# Altium PCB QCPower Rev A.PcbDoc (part 1 of 5) (continued)
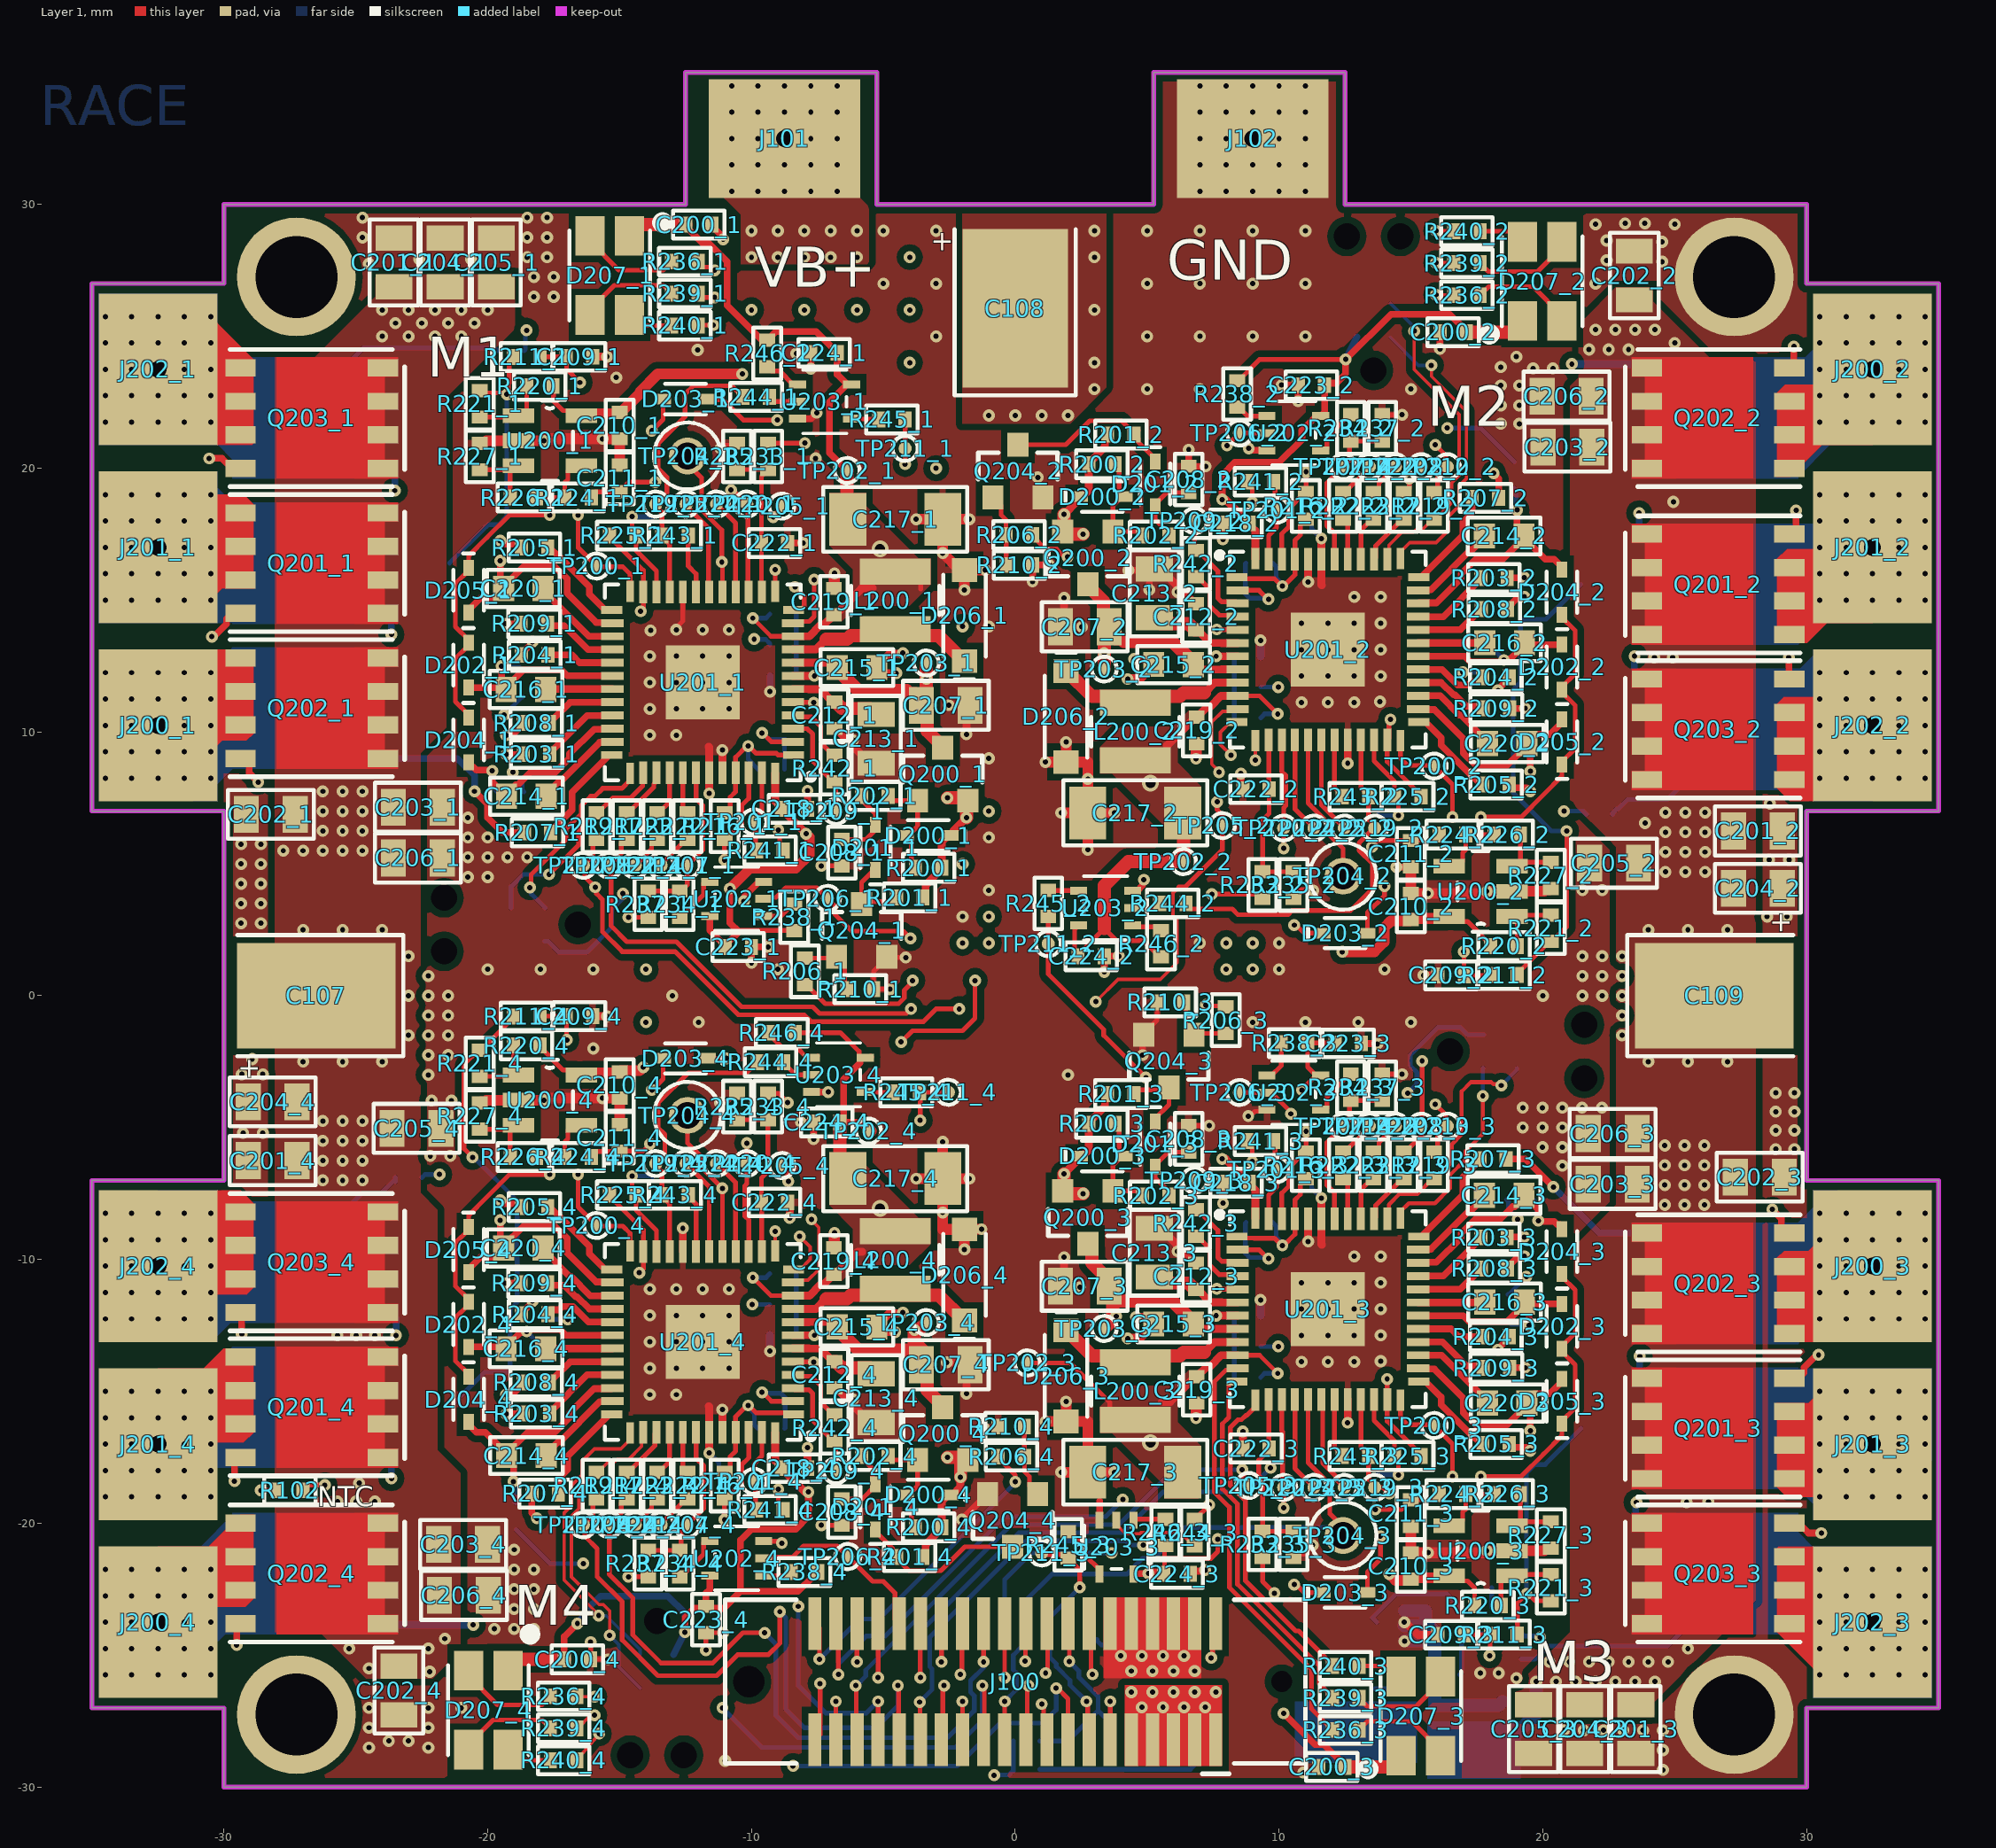
[diagram p0: Layer 1 view]
## Components (designator, comment, footprint, x,y, rotation, side; value= is the part's Value field where it differs from the comment) (continued)
C211_4 "0.01uF" "SMD CAP 0402" -15,-5.385 r90 top (schematic designator C211)
C212_1 "0.1uF" "SMD CAP 0402" -6.857,10.633 r90 top (schematic designator C212)
C212_2 "0.1uF" "SMD CAP 0402" 6.857,14.367 r270 top (schematic designator C212)
C212_3 "0.1uF" "SMD CAP 0402" 6.857,-10.633 r270 top (schematic designator C212)
C212_4 "0.1uF" "SMD CAP 0402" -6.857,-14.367 r90 top (schematic designator C212)
C213_1 "10uF" "SMD CAP 0805" -5.275,9.74 r270 top (schematic designator C213)
C213_2 "10uF" "SMD CAP 0805" 5.275,15.26 r90 top (schematic designator C213)
C213_3 "10uF" "SMD CAP 0805" 5.275,-9.74 r90 top (schematic designator C213)
C213_4 "10uF" "SMD CAP 0805" -5.275,-15.26 r270 top (schematic designator C213)
C214_1 "680nF" "SMD CAP 0603" -18.536,7.568 r180 top (schematic designator C214)
C214_2 "680nF" "SMD CAP 0603" 18.536,17.432 r0 top (schematic designator C214)
C214_3 "680nF" "SMD CAP 0603" 18.536,-7.568 r0 top (schematic designator C214)
C214_4 "680nF" "SMD CAP 0603" -18.536,-17.432 r180 top (schematic designator C214)
C215_1 "330nF" "SMD CAP 0603" -6,12.443 r0 top (schematic designator C215)
C215_2 "330nF" "SMD CAP 0603" 6,12.557 r180 top (schematic designator C215)
C215_3 "330nF" "SMD CAP 0603" 6,-12.442 r180 top (schematic designator C215)
C215_4 "330nF" "SMD CAP 0603" -6,-12.557 r0 top (schematic designator C215)
C216_1 "680nF" "SMD CAP 0603" -18.554,11.617 r180 top (schematic designator C216)
C216_2 "680nF" "SMD CAP 0603" 18.554,13.383 r0 top (schematic designator C216)
C216_3 "680nF" "SMD CAP 0603" 18.554,-11.617 r0 top (schematic designator C216)
C216_4 "680nF" "SMD CAP 0603" -18.554,-13.383 r180 top (schematic designator C216)
C217_1 "47uF" "SMD CAP 1206" -4.55,18.065 r0 top (schematic designator C217)
C217_2 "47uF" "SMD CAP 1206" 4.55,6.935 r180 top (schematic designator C217)
C217_3 "47uF" "SMD CAP 1206" 4.55,-18.065 r180 top (schematic designator C217)
C217_4 "47uF" "SMD CAP 1206" -4.55,-6.935 r0 top (schematic designator C217)
C218_1 "0.1uF" "SMD CAP 0402" -8.375,7.09 r180 top (schematic designator C218)
C218_2 "0.1uF" "SMD CAP 0402" 8.375,17.91 r0 top (schematic designator C218)
C218_3 "0.1uF" "SMD CAP 0402" 8.375,-7.09 r0 top (schematic designator C218)
C218_4 "0.1uF" "SMD CAP 0402" -8.375,-17.91 r180 top (schematic designator C218)
C219_1 "0.1uF" "SMD CAP 0402" -6.875,14.94 r270 top (schematic designator C219)
C219_2 "0.1uF" "SMD CAP 0402" 6.875,10.06 r90 top (schematic designator C219)
C219_3 "0.1uF" "SMD CAP 0402" 6.875,-14.94 r90 top (schematic designator C219)
C219_4 "0.1uF" "SMD CAP 0402" -6.875,-10.06 r270 top (schematic designator C219)
C220_1 "680nF" "SMD CAP 0603" -18.65,15.44 r180 top (schematic designator C220)
C220_2 "680nF" "SMD CAP 0603" 18.65,9.56 r0 top (schematic designator C220)
C220_3 "680nF" "SMD CAP 0603" 18.65,-15.44 r0 top (schematic designator C220)
C220_4 "680nF" "SMD CAP 0603" -18.65,-9.56 r180 top (schematic designator C220)
C221_1 "0.01uF" "SMD CAP 0402" -8.8,12.13 r180 bottom (schematic designator C221)
C221_2 "0.01uF" "SMD CAP 0402" 8.8,12.87 r0 bottom (schematic designator C221)
C221_3 "0.01uF" "SMD CAP 0402" 8.8,-12.13 r0 bottom (schematic designator C221)
C221_4 "0.01uF" "SMD CAP 0402" -8.8,-12.87 r180 bottom (schematic designator C221)
C222_1 "0.01uF" "SMD CAP 0402" -9.125,17.165 r0 top (schematic designator C222)
C222_2 "0.01uF" "SMD CAP 0402" 9.125,7.835 r180 top (schematic designator C222)
C222_3 "0.01uF" "SMD CAP 0402" 9.125,-17.165 r180 top (schematic designator C222)
C222_4 "0.01uF" "SMD CAP 0402" -9.125,-7.835 r0 top (schematic designator C222)
C223_1 "0.01uF" "SMD CAP 0402" -10.5,1.85 r0 top (schematic designator C223)
C223_2 "0.01uF" "SMD CAP 0402" 11.225,23.15 r180 top (schematic designator C223)
C223_3 "0.01uF" "SMD CAP 0402" 12.624,-1.803 r0 top (schematic designator C223)
C223_4 "0.01uF" "SMD CAP 0402" -11.725,-23.65 r270 top (schematic designator C223)
C224_1 "0.01uF" "SMD CAP 0402" -7.25,24.375 r180 top (schematic designator C224)
C224_2 "0.01uF" "SMD CAP 0402" 2.875,1.5 r0 top (schematic designator C224)
C224_3 "0.01uF" "SMD CAP 0402" 6.129,-21.92 r0 top (schematic designator C224)
C224_4 "0.01uF" "SMD CAP 0402" -7.145,-4.801 r180 top (schematic designator C224)
D200_1 "10V" "DIODE SOD-523" -3.3,6.075 r180 top (schematic designator D200)
D200_2 "10V" "DIODE SOD-523" 3.3,18.925 r0 top (schematic designator D200)
D200_3 "10V" "DIODE SOD-523" 3.3,-6.075 r0 top (schematic designator D200)
D200_4 "10V" "DIODE SOD-523" -3.3,-18.925 r180 top (schematic designator D200)
D201_1 "IN4148" "DIODE SOD-523" -5.3,5.624 r90 top (schematic designator D201)
D201_2 "IN4148" "DIODE SOD-523" 5.3,19.401 r270 top (schematic designator D201)
D201_3 "IN4148" "DIODE SOD-523" 5.3,-5.624 r270 top (schematic designator D201)
D201_4 "IN4148" "DIODE SOD-523" -5.3,-19.376 r90 top (schematic designator D201)
D202_1 "IN4148" "DIODE SOD-523" -20.725,12.538 r270 top (schematic designator D202)
D202_2 "IN4148" "DIODE SOD-523" 20.725,12.462 r90 top (schematic designator D202)
D202_3 "IN4148" "DIODE SOD-523" 20.725,-12.537 r90 top (schematic designator D202)
D202_4 "IN4148" "DIODE SOD-523" -20.725,-12.462 r270 top (schematic designator D202)
D203_1 "IN4148" "DIODE SOD-523" -12.5,22.625 r180 top (schematic designator D203)
D203_2 "IN4148" "DIODE SOD-523" 12.5,2.375 r0 top (schematic designator D203)
D203_3 "IN4148" "DIODE SOD-523" 12.5,-22.625 r0 top (schematic designator D203)
D203_4 "IN4148" "DIODE SOD-523" -12.5,-2.375 r180 top (schematic designator D203)
D204_1 "IN4148" "DIODE SOD-523" -20.725,9.7 r270 top (schematic designator D204)
D204_2 "IN4148" "DIODE SOD-523" 20.725,15.3 r90 top (schematic designator D204)
D204_3 "IN4148" "DIODE SOD-523" 20.725,-9.7 r90 top (schematic designator D204)
D204_4 "IN4148" "DIODE SOD-523" -20.725,-15.3 r270 top (schematic designator D204)
D205_1 "IN4148" "DIODE SOD-523" -20.725,15.375 r270 top (schematic designator D205)
D205_2 "IN4148" "DIODE SOD-523" 20.725,9.625 r90 top (schematic designator D205)
D205_3 "IN4148" "DIODE SOD-523" 20.725,-15.375 r90 top (schematic designator D205)
D205_4 "IN4148" "DIODE SOD-523" -20.725,-9.625 r270 top (schematic designator D205)
D206_1 "STPS0560Z" "DIODE SOD123" -1.925,14.415 r90 top (schematic designator D206)
D206_2 "STPS0560Z" "DIODE SOD123" 1.925,10.585 r270 top (schematic designator D206)
D206_3 "STPS0560Z" "DIODE SOD123" 1.925,-14.415 r270 top (schematic designator D206)
D206_4 "STPS0560Z" "DIODE SOD123" -1.925,-10.585 r90 top (schematic designator D206)
D207_1 "RGD LED" "PLCC-4 LED ASMB-MTB0-0A3A2" -15.375,27.31 r180 top (schematic designator D207)
D207_2 "RGD LED" "PLCC-4 LED ASMB-MTB0-0A3A2" 19.975,27.082 r0 top (schematic designator D207)
D207_3 "RGD LED" "PLCC-4 LED ASMB-MTB0-0A3A2" 15.375,-27.31 r0 top (schematic designator D207)
D207_4 "RGD LED" "PLCC-4 LED ASMB-MTB0-0A3A2" -19.975,-27.082 r180 top (schematic designator D207)
J100 "Logic Board" "CONN QCOPTER LOGIC Rev A" 0,-26 r0 top locked
J101 "PAD" "CONN SOLDER MOTOR" -8.75,32.5 r90 top
J102 "PAD" "CONN SOLDER MOTOR" 9,32.5 r90 top
J200_1 "PAD" "CONN SOLDER MOTOR" -32.5,10.25 r0 top (schematic designator J200)
J200_2 "PAD" "CONN SOLDER MOTOR" 32.5,23.75 r180 top (schematic designator J200)
J200_3 "PAD" "CONN SOLDER MOTOR" 32.5,-10.25 r180 top (schematic designator J200)
J200_4 "PAD" "CONN SOLDER MOTOR" -32.5,-23.75 r0 top (schematic designator J200)
J201_1 "PAD" "CONN SOLDER MOTOR" -32.5,17 r0 top (schematic designator J201)
J201_2 "PAD" "CONN SOLDER MOTOR" 32.5,17 r180 top (schematic designator J201)
J201_3 "PAD" "CONN SOLDER MOTOR" 32.5,-17 r180 top (schematic designator J201)
J201_4 "PAD" "CONN SOLDER MOTOR" -32.5,-17 r0 top (schematic designator J201)
J202_1 "PAD" "CONN SOLDER MOTOR" -32.5,23.75 r0 top (schematic designator J202)
J202_2 "PAD" "CONN SOLDER MOTOR" 32.5,10.25 r180 top (schematic designator J202)
J202_3 "PAD" "CONN SOLDER MOTOR" 32.5,-23.75 r180 top (schematic designator J202)
J202_4 "PAD" "CONN SOLDER MOTOR" -32.5,-10.25 r0 top (schematic designator J202)
J203_1 "TC2030" tag-connect-6 -16.575,2.701 r180 bottom (schematic designator J203)
J203_2 "TC2030" tag-connect-6 13.585,23.71 r90 bottom (schematic designator J203)
J203_3 "TC2030" tag-connect-6 16.485,-2.11 r0 bottom (schematic designator J203)
J203_4 "TC2030" tag-connect-6 -13.585,-23.71 r270 bottom (schematic designator J203)
L100 "3.3uH" "IND SMD 0806" 11.786,-26.416 r90 bottom
L200_1 "SRN3015-220M" "INDUCTOR SRN3015-220M" -4.55,14.99 r90 top (schematic designator L200)
L200_2 "SRN3015-220M" "INDUCTOR SRN3015-220M" 4.55,10.01 r270 top (schematic designator L200)
L200_3 "SRN3015-220M" "INDUCTOR SRN3015-220M" 4.55,-14.99 r270 top (schematic designator L200)
L200_4 "SRN3015-220M" "INDUCTOR SRN3015-220M" -4.55,-10.01 r90 top (schematic designator L200)
Q200_1 "DMP4065S-7" SOT-23-3 -2.75,8.4 r0 top (schematic designator Q200)
Q200_2 "DMP4065S-7" SOT-23-3 2.75,16.6 r180 top (schematic designator Q200)
Q200_3 "DMP4065S-7" SOT-23-3 2.75,-8.4 r180 top (schematic designator Q200)
Q200_4 "DMP4065S-7" SOT-23-3 -2.75,-16.6 r0 top (schematic designator Q200)
Q201_1 "STL140N4F7AG‎" "PowerFLAT 5x6" -26.674,16.4 r270 top (schematic designator Q201)
Q201_2 "STL140N4F7AG‎" "PowerFLAT 5x6" 26.648,15.6 r90 top (schematic designator Q201)
Q201_3 "STL140N4F7AG‎" "PowerFLAT 5x6" 26.648,-16.4 r90 top (schematic designator Q201)
Q201_4 "STL140N4F7AG‎" "PowerFLAT 5x6" -26.674,-15.6 r270 top (schematic designator Q201)
Q202_1 "STL140N4F7AG‎" "PowerFLAT 5x6" -26.674,10.9 r270 top (schematic designator Q202)
Q202_2 "STL140N4F7AG‎" "PowerFLAT 5x6" 26.648,21.9 r90 top (schematic designator Q202)
Q202_3 "STL140N4F7AG‎" "PowerFLAT 5x6" 26.648,-10.9 r90 top (schematic designator Q202)
Q202_4 "STL140N4F7AG‎" "PowerFLAT 5x6" -26.674,-21.9 r270 top (schematic designator Q202)
Q203_1 "STL140N4F7AG‎" "PowerFLAT 5x6" -26.674,21.9 r270 top (schematic designator Q203)
Q203_2 "STL140N4F7AG‎" "PowerFLAT 5x6" 26.648,10.1 r90 top (schematic designator Q203)
Q203_3 "STL140N4F7AG‎" "PowerFLAT 5x6" 26.648,-21.9 r90 top (schematic designator Q203)
Q203_4 "STL140N4F7AG‎" "PowerFLAT 5x6" -26.674,-10.1 r270 top (schematic designator Q203)
Q204_1 "BSS138-7-F" SOT-23-3 -5.825,2.475 r0 top (schematic designator Q204)
Q204_2 "BSS138-7-F" SOT-23-3 0.102,19.888 r0 top (schematic designator Q204)
Q204_3 "BSS138-7-F" SOT-23-3 5.825,-2.475 r180 top (schematic designator Q204)
Q204_4 "BSS138-7-F" SOT-23-3 -0.102,-19.888 r180 top locked (schematic designator Q204)
Q205_1 "STL140N4F7AG‎" "PowerFLAT 5x6" -26.4,10.9 r270 bottom (schematic designator Q205)
Q205_2 "STL140N4F7AG‎" "PowerFLAT 5x6" 26.4,21.9 r90 bottom (schematic designator Q205)
Q205_3 "STL140N4F7AG‎" "PowerFLAT 5x6" 26.4,-10.9 r90 bottom (schematic designator Q205)
Q205_4 "STL140N4F7AG‎" "PowerFLAT 5x6" -26.4,-21.9 r270 bottom (schematic designator Q205)
Q206_1 "STL140N4F7AG‎" "PowerFLAT 5x6" -26.4,21.9 r270 bottom (schematic designator Q206)
Q206_2 "STL140N4F7AG‎" "PowerFLAT 5x6" 26.4,10.1 r90 bottom (schematic designator Q206)
Q206_3 "STL140N4F7AG‎" "PowerFLAT 5x6" 26.4,-21.9 r90 bottom (schematic designator Q206)
Q206_4 "STL140N4F7AG‎" "PowerFLAT 5x6" -26.4,-10.1 r270 bottom (schematic designator Q206)
Q207_1 "STL140N4F7AG‎" "PowerFLAT 5x6" -26.4,16.4 r270 bottom (schematic designator Q207)
Q207_2 "STL140N4F7AG‎" "PowerFLAT 5x6" 26.4,15.6 r90 bottom (schematic designator Q207)
Q207_3 "STL140N4F7AG‎" "PowerFLAT 5x6" 26.4,-16.4 r90 bottom (schematic designator Q207)
Q207_4 "STL140N4F7AG‎" "PowerFLAT 5x6" -26.4,-15.6 r270 bottom (schematic designator Q207)
R100 "51k" "SMD RES 0402" 16.916,-23.684 r270 bottom
R101 "22.1k" "SMD RES 0402" 18.059,-23.684 r90 bottom
R102 "NTC 100k" "SMD RES 0402" -27.5,-18.75 r180 top
R103 "1K" "SMD RES 0402" 0.425,-28.25 r0 bottom
R104 "100K" "SMD RES 0402" 0.425,-29.325 r180 bottom
R200_1 "100K" "SMD RES 0402" -3.288,4.852 r180 top (schematic designator R200)
R200_2 "100K" "SMD RES 0402" 3.288,20.148 r0 top (schematic designator R200)
R200_3 "100K" "SMD RES 0402" 3.288,-4.852 r0 top (schematic designator R200)
R200_4 "100K" "SMD RES 0402" -3.288,-20.148 r180 top (schematic designator R200)
R201_1 "100K" "SMD RES 0402" -4,3.725 r180 top (schematic designator R201)
R201_2 "100K" "SMD RES 0402" 4,21.275 r0 top (schematic designator R201)
R201_3 "100K" "SMD RES 0402" 4,-3.725 r0 top (schematic designator R201)
R201_4 "100K" "SMD RES 0402" -4,-21.275 r180 top (schematic designator R201)
R202_1 "24k" "SMD RES 0402" -5.325,7.577 r0 top (schematic designator R202)
R202_2 "24k" "SMD RES 0402" 5.325,17.449 r180 top (schematic designator R202)
R202_3 "24k" "SMD RES 0402" 5.325,-7.577 r180 top (schematic designator R202)
R202_4 "24k" "SMD RES 0402" -5.325,-17.449 r0 top (schematic designator R202)
R203_1 "24" "SMD RES 0402" -18.147,9.159 r180 top (schematic designator R203)
R203_2 "24" "SMD RES 0402" 18.147,15.841 r0 top (schematic designator R203)
R203_3 "24" "SMD RES 0402" 18.147,-9.159 r0 top (schematic designator R203)
R203_4 "24" "SMD RES 0402" -18.147,-15.841 r180 top (schematic designator R203)
R204_1 "24" "SMD RES 0402" -18.218,12.922 r180 top (schematic designator R204)
R204_2 "24" "SMD RES 0402" 18.218,12.078 r0 top (schematic designator R204)
R204_3 "24" "SMD RES 0402" 18.218,-12.922 r0 top (schematic designator R204)
R204_4 "24" "SMD RES 0402" -18.218,-12.078 r180 top (schematic designator R204)
R205_1 "24" "SMD RES 0402" -18.225,16.99 r180 top (schematic designator R205)
R205_2 "24" "SMD RES 0402" 18.225,8.01 r0 top (schematic designator R205)
R205_3 "24" "SMD RES 0402" 18.225,-16.99 r0 top (schematic designator R205)
R205_4 "24" "SMD RES 0402" -18.225,-8.01 r180 top (schematic designator R205)
R206_1 "1K" "SMD RES 0402" -7.975,0.925 r270 top (schematic designator R206)
R206_2 "1K" "SMD RES 0402" 0.148,17.475 r0 top (schematic designator R206)
R206_3 "1K" "SMD RES 0402" 7.975,-0.925 r90 top (schematic designator R206)
R206_4 "1K" "SMD RES 0402" -0.148,-17.475 r180 top (schematic designator R206)
R207_1 "24" "SMD RES 0402" -18.112,6.19 r180 top (schematic designator R207)
R207_2 "24" "SMD RES 0402" 17.823,18.872 r0 top (schematic designator R207)
R207_3 "24" "SMD RES 0402" 18.112,-6.19 r0 top (schematic designator R207)
R207_4 "24" "SMD RES 0402" -17.823,-18.872 r180 top (schematic designator R207)
R208_1 "24" "SMD RES 0402" -18.16,10.344 r180 top (schematic designator R208)
R208_2 "24" "SMD RES 0402" 18.16,14.656 r0 top (schematic designator R208)
R208_3 "24" "SMD RES 0402" 18.16,-10.344 r0 top (schematic designator R208)
R208_4 "24" "SMD RES 0402" -18.16,-14.656 r180 top (schematic designator R208)
R209_1 "24" "SMD RES 0402" -18.236,14.106 r180 top (schematic designator R209)
R209_2 "24" "SMD RES 0402" 18.236,10.894 r0 top (schematic designator R209)
R209_3 "24" "SMD RES 0402" 18.236,-14.106 r0 top (schematic designator R209)
R209_4 "24" "SMD RES 0402" -18.236,-10.894 r180 top (schematic designator R209)
R210_1 "100K" "SMD RES 0402" -5.875,0.25 r0 top (schematic designator R210)
R210_2 "100K" "SMD RES 0402" 0.156,16.332 r0 top (schematic designator R210)
R210_3 "100K" "SMD RES 0402" 5.875,-0.25 r180 top (schematic designator R210)
R210_4 "100K" "SMD RES 0402" -0.156,-16.332 r180 top (schematic designator R210)
R211_1 "1K" "SMD RES 0402" -18.525,24.216 r180 top (schematic designator R211)
R211_2 "1K" "SMD RES 0402" 18.525,0.783 r0 top (schematic designator R211)
R211_3 "1K" "SMD RES 0402" 18.525,-24.216 r0 top (schematic designator R211)
R211_4 "1K" "SMD RES 0402" -18.525,-0.784 r180 top (schematic designator R211)
R212_1 "10K" "SMD RES 0402" -19.125,7.725 r0 bottom (schematic designator R212)
R212_2 "10K" "SMD RES 0402" 18.923,19.736 r90 bottom (schematic designator R212)
R212_3 "10K" "SMD RES 0402" 19.125,-7.725 r180 bottom (schematic designator R212)
R212_4 "10K" "SMD RES 0402" -18.923,-19.736 r270 bottom (schematic designator R212)
R213_1 "10K" "SMD RES 0402" -18.675,11.825 r270 bottom (schematic designator R213)
R213_2 "10K" "SMD RES 0402" 17.628,12.768 r270 bottom (schematic designator R213)
R213_3 "10K" "SMD RES 0402" 18.675,-11.825 r90 bottom (schematic designator R213)
R213_4 "10K" "SMD RES 0402" -17.628,-12.768 r90 bottom (schematic designator R213)
R214_1 "10K" "SMD RES 0402" -19.125,24.45 r0 bottom (schematic designator R214)
R214_2 "10K" "SMD RES 0402" 22.15,6.875 r180 bottom (schematic designator R214)
R214_3 "10K" "SMD RES 0402" 19.175,-24.65 r90 bottom (schematic designator R214)
R214_4 "10K" "SMD RES 0402" -23,-6.898 r0 bottom (schematic designator R214)
R215_1 "1mOhm" "SMD RES 2010" -19.4,16.4 r180 bottom locked (schematic designator R215)
R215_2 "1mOhm" "SMD RES 2010" 19.4,15.6 r0 bottom (schematic designator R215)
R215_3 "1mOhm" "SMD RES 2010" 19.4,-16.4 r0 bottom (schematic designator R215)
R215_4 "1mOhm" "SMD RES 2010" -19.4,-15.6 r180 bottom (schematic designator R215)
R216_1 "10K" "SMD RES 0402" -11.018,6.429 r90 top (schematic designator R216)
R216_2 "10K" "SMD RES 0402" 11.018,18.571 r270 top (schematic designator R216)
R216_3 "10K" "SMD RES 0402" 11.018,-6.429 r270 top (schematic designator R216)
R216_4 "10K" "SMD RES 0402" -11.018,-18.571 r90 top (schematic designator R216)
R217_1 "0R0" "SMD RES 0402" -14.727,6.429 r90 top (schematic designator R217)
R217_2 "0R0" "SMD RES 0402" 14.727,18.571 r270 top (schematic designator R217)
R217_3 "0R0" "SMD RES 0402" 14.727,-6.429 r270 top (schematic designator R217)
R217_4 "0R0" "SMD RES 0402" -14.727,-18.571 r90 top (schematic designator R217)
R218_1 "10K" "SMD RES 0402" -9.25,8.59 r180 bottom (schematic designator R218)
R218_2 "10K" "SMD RES 0402" 9.25,16.41 r0 bottom (schematic designator R218)
R218_3 "10K" "SMD RES 0402" 9.25,-8.59 r0 bottom (schematic designator R218)
R218_4 "10K" "SMD RES 0402" -9.25,-16.41 r180 bottom (schematic designator R218)
R219_1 "0R0" "SMD RES 0402" -15.879,6.429 r90 top (schematic designator R219)
R219_2 "0R0" "SMD RES 0402" 15.879,18.571 r270 top (schematic designator R219)
R219_3 "0R0" "SMD RES 0402" 15.879,-6.429 r270 top (schematic designator R219)
R219_4 "0R0" "SMD RES 0402" -15.879,-18.571 r90 top (schematic designator R219)
R220_1 "470k" "SMD RES 0402" -18.025,23.118 r180 top (schematic designator R220)
R220_2 "470k" "SMD RES 0402" 18.525,1.882 r0 top (schematic designator R220)
R220_3 "470k" "SMD RES 0402" 17.916,-23.118 r0 top (schematic designator R220)
R220_4 "470k" "SMD RES 0402" -18.525,-1.882 r180 top (schematic designator R220)
R221_1 "1K" "SMD RES 0402" -20.3,22.44 r90 top (schematic designator R221)
R221_2 "1K" "SMD RES 0402" 20.3,2.56 r270 top (schematic designator R221)
R221_3 "1K" "SMD RES 0402" 20.3,-22.44 r270 top (schematic designator R221)
R221_4 "1K" "SMD RES 0402" -20.3,-2.56 r90 top (schematic designator R221)
R222_1 "0R0" "SMD RES 0402" -12.423,6.429 r90 top (schematic designator R222)
R222_2 "0R0" "SMD RES 0402" 12.423,18.571 r270 top (schematic designator R222)
R222_3 "0R0" "SMD RES 0402" 12.423,-6.429 r270 top (schematic designator R222)
R222_4 "0R0" "SMD RES 0402" -12.423,-18.571 r90 top (schematic designator R222)
R223_1 "0R0" "SMD RES 0402" -13.575,6.429 r90 top (schematic designator R223)
R223_2 "0R0" "SMD RES 0402" 13.575,18.571 r270 top (schematic designator R223)
R223_3 "0R0" "SMD RES 0402" 13.575,-6.429 r270 top (schematic designator R223)
R223_4 "0R0" "SMD RES 0402" -13.575,-18.571 r90 top (schematic designator R223)
R224_1 "10K" "SMD RES 0402" -16.575,18.89 r0 top (schematic designator R224)
R224_2 "10K" "SMD RES 0402" 16.575,6.11 r180 top (schematic designator R224)
R224_3 "10K" "SMD RES 0402" 16.575,-18.89 r180 top (schematic designator R224)
R224_4 "10K" "SMD RES 0402" -16.575,-6.11 r0 top (schematic designator R224)
R225_1 "10K" "SMD RES 0402" -14.877,17.45 r180 top (schematic designator R225)
R225_2 "10K" "SMD RES 0402" 14.877,7.55 r0 top (schematic designator R225)
R225_3 "10K" "SMD RES 0402" 14.877,-17.45 r0 top (schematic designator R225)
R225_4 "10K" "SMD RES 0402" -14.877,-7.55 r180 top (schematic designator R225)
R226_1 "24k" "SMD RES 0402" -18.65,18.89 r0 top (schematic designator R226)
R226_2 "24k" "SMD RES 0402" 18.65,6.11 r180 top (schematic designator R226)
R226_3 "24k" "SMD RES 0402" 18.65,-18.89 r180 top (schematic designator R226)
R226_4 "24k" "SMD RES 0402" -18.65,-6.11 r0 top (schematic designator R226)
R227_1 "1K" "SMD RES 0402" -20.3,20.44 r90 top (schematic designator R227)
R227_2 "1K" "SMD RES 0402" 20.3,4.56 r270 top (schematic designator R227)
R227_3 "1K" "SMD RES 0402" 20.3,-20.44 r270 top (schematic designator R227)
R227_4 "1K" "SMD RES 0402" -20.3,-4.56 r90 top (schematic designator R227)
R228_1 "1K" "SMD RES 0402" -11.025,6.415 r270 bottom (schematic designator R228)
R228_2 "1K" "SMD RES 0402" 11.025,18.585 r90 bottom (schematic designator R228)
R228_3 "1K" "SMD RES 0402" 11.025,-6.415 r90 bottom (schematic designator R228)
R228_4 "1K" "SMD RES 0402" -11.025,-18.585 r270 bottom (schematic designator R228)
R229_1 "1K" "SMD RES 0402" -8.225,9.715 r180 bottom (schematic designator R229)
R229_2 "1K" "SMD RES 0402" 8.225,15.285 r0 bottom (schematic designator R229)
R229_3 "1K" "SMD RES 0402" 8.225,-9.715 r0 bottom (schematic designator R229)
R229_4 "1K" "SMD RES 0402" -8.225,-15.285 r180 bottom (schematic designator R229)
R230_1 "1K" "SMD RES 0402" -13.25,18.125 r180 bottom (schematic designator R230)
R230_2 "1K" "SMD RES 0402" 13.25,6.875 r0 bottom (schematic designator R230)
R230_3 "1K" "SMD RES 0402" 13.25,-18.125 r0 bottom (schematic designator R230)
R230_4 "1K" "SMD RES 0402" -13.25,-6.875 r180 bottom (schematic designator R230)
R231_1 "10K" "SMD RES 0402" -8.8,14.465 r0 bottom (schematic designator R231)
R231_2 "10K" "SMD RES 0402" 8.8,10.535 r180 bottom (schematic designator R231)
R231_3 "10K" "SMD RES 0402" 8.8,-14.465 r180 bottom (schematic designator R231)
R231_4 "10K" "SMD RES 0402" -8.8,-10.535 r0 bottom (schematic designator R231)
R232_1 "0R0" "SMD RES 0402" -8.8,13.298 r0 bottom (schematic designator R232)
R232_2 "0R0" "SMD RES 0402" 8.8,11.702 r180 bottom (schematic designator R232)
R232_3 "0R0" "SMD RES 0402" 8.8,-13.298 r180 bottom (schematic designator R232)
R232_4 "0R0" "SMD RES 0402" -8.8,-11.702 r0 bottom (schematic designator R232)
R233_1 "470k" "SMD RES 0402" -9.375,20.45 r270 top (schematic designator R233)
R233_2 "470k" "SMD RES 0402" 9.375,4.2 r90 top (schematic designator R233)
R233_3 "470k" "SMD RES 0402" 9.375,-20.8 r90 top (schematic designator R233)
R233_4 "470k" "SMD RES 0402" -9.375,-4.2 r270 top (schematic designator R233)
R234_1 "0R0" "SMD RES 0402" -12.719,3.473 r90 top (schematic designator R234)
R234_2 "0R0" "SMD RES 0402" 12.719,21.527 r270 top (schematic designator R234)
R234_3 "0R0" "SMD RES 0402" 12.719,-3.473 r270 top (schematic designator R234)
R234_4 "0R0" "SMD RES 0402" -12.719,-21.527 r90 top (schematic designator R234)
R235_1 "33k" "SMD RES 0402" -10.55,20.45 r90 top (schematic designator R235)
R235_2 "33k" "SMD RES 0402" 10.55,4.2 r270 top (schematic designator R235)
R235_3 "33k" "SMD RES 0402" 10.55,-20.8 r270 top (schematic designator R235)
R235_4 "33k" "SMD RES 0402" -10.55,-4.2 r90 top (schematic designator R235)
R236_1 "220" "SMD RES 0402" -12.525,27.835 r0 top (schematic designator R236)
R236_2 "220" "SMD RES 0402" 17.125,26.557 r180 top (schematic designator R236)
R236_3 "220" "SMD RES 0402" 12.525,-27.835 r180 top (schematic designator R236)
R236_4 "220" "SMD RES 0402" -17.125,-26.557 r0 top (schematic designator R236)
R237_1 "330" "SMD RES 0402" -13.913,3.473 r90 top (schematic designator R237)
R237_2 "330" "SMD RES 0402" 13.913,21.527 r270 top (schematic designator R237)
R237_3 "330" "SMD RES 0402" 13.913,-3.473 r270 top (schematic designator R237)
R237_4 "330" "SMD RES 0402" -13.913,-21.527 r90 top (schematic designator R237)
R238_1 "10K" "SMD RES 0402" -8.375,2.975 r270 top (schematic designator R238)
R238_2 "10K" "SMD RES 0402" 8.407,22.817 r90 top (schematic designator R238)
R238_3 "10K" "SMD RES 0402" 10.586,-1.792 r0 top (schematic designator R238)
R238_4 "10K" "SMD RES 0402" -7.993,-21.844 r0 top (schematic designator R238)
R239_1 "39" "SMD RES 0402" -12.525,26.622 r0 top (schematic designator R239)
R239_2 "39" "SMD RES 0402" 17.125,27.77 r180 top (schematic designator R239)
R239_3 "39" "SMD RES 0402" 12.525,-26.622 r180 top (schematic designator R239)
R239_4 "39" "SMD RES 0402" -17.125,-27.77 r0 top (schematic designator R239)
R240_1 "39" "SMD RES 0402" -12.525,25.41 r0 top (schematic designator R240)
R240_2 "39" "SMD RES 0402" 17.125,28.982 r180 top (schematic designator R240)
R240_3 "39" "SMD RES 0402" 12.525,-25.41 r180 top (schematic designator R240)
R240_4 "39" "SMD RES 0402" -17.125,-28.982 r0 top (schematic designator R240)
R241_1 "0R0" "SMD RES 0402" -9.298,5.513 r180 top (schematic designator R241)
R241_2 "0R0" "SMD RES 0402" 9.298,19.487 r0 top (schematic designator R241)
R241_3 "0R0" "SMD RES 0402" 9.298,-5.513 r0 top (schematic designator R241)
R241_4 "0R0" "SMD RES 0402" -9.298,-19.487 r180 top (schematic designator R241)
R242_1 "0R0" "SMD RES 0402" -6.85,8.615 r270 top (schematic designator R242)
R242_2 "0R0" "SMD RES 0402" 6.85,16.385 r90 top (schematic designator R242)
R242_3 "0R0" "SMD RES 0402" 6.85,-8.615 r90 top (schematic designator R242)
R242_4 "0R0" "SMD RES 0402" -6.85,-16.385 r270 top (schematic designator R242)
R243_1 "0R0" "SMD RES 0402" -12.897,17.45 r180 top (schematic designator R243)
R243_2 "0R0" "SMD RES 0402" 12.897,7.55 r0 top (schematic designator R243)
R243_3 "0R0" "SMD RES 0402" 12.897,-17.45 r0 top (schematic designator R243)
R243_4 "0R0" "SMD RES 0402" -12.897,-7.55 r180 top (schematic designator R243)
R244_1 "0R0" "SMD RES 0402" -9.825,22.7 r180 top (schematic designator R244)
R244_2 "0R0" "SMD RES 0402" 5.975,3.5 r0 top (schematic designator R244)
R244_3 "0R0" "SMD RES 0402" 6.807,-20.353 r90 top (schematic designator R244)
R244_4 "0R0" "SMD RES 0402" -9.279,-2.515 r180 top (schematic designator R244)
R245_1 "24" "SMD RES 0402" -4.675,21.85 r180 top (schematic designator R245)
R245_2 "24" "SMD RES 0402" 1.25,3.5 r90 top (schematic designator R245)
R245_3 "24" "SMD RES 0402" 2.007,-20.82 r90 top (schematic designator R245)
R245_4 "24" "SMD RES 0402" -4.132,-3.658 r180 top (schematic designator R245)
R246_1 "10K" "SMD RES 0402" -9.4,24.35 r90 top (schematic designator R246)
R246_2 "10K" "SMD RES 0402" 5.525,1.975 r270 top (schematic designator R246)
R246_3 "10K" "SMD RES 0402" 5.69,-20.345 r270 top (schematic designator R246)
R246_4 "10K" "SMD RES 0402" -8.85,-1.4 r0 top (schematic designator R246)
TP100 "TESTPOINT SMD" "TESTPOINT 1mm DIA" 3.525,-28.35 r0 bottom
TP200_1 "TESTPOINT SMD" "TESTPOINT 0.5mm DIA" -15.875,16.29 r0 top (schematic designator TP200)
TP200_2 "TESTPOINT SMD" "TESTPOINT 0.5mm DIA" 15.875,8.71 r180 top (schematic designator TP200)
TP200_3 "TESTPOINT SMD" "TESTPOINT 0.5mm DIA" 15.875,-16.29 r180 top (schematic designator TP200)
TP200_4 "TESTPOINT SMD" "TESTPOINT 0.5mm DIA" -15.875,-8.71 r0 top (schematic designator TP200)
TP201_1 "TESTPOINT SMD" "TESTPOINT 0.5mm DIA" -9.908,6.59 r180 top (schematic designator TP201)
TP201_2 "TESTPOINT SMD" "TESTPOINT 0.5mm DIA" 9.908,18.409 r0 top (schematic designator TP201)
TP201_3 "TESTPOINT SMD" "TESTPOINT 0.5mm DIA" 9.908,-6.59 r0 top (schematic designator TP201)
TP201_4 "TESTPOINT SMD" "TESTPOINT 0.5mm DIA" -9.908,-18.41 r180 top (schematic designator TP201)
TP202_1 "TESTPOINT SMD" "TESTPOINT 0.5mm DIA" -6.375,19.915 r180 top (schematic designator TP202)
TP202_2 "TESTPOINT SMD" "TESTPOINT 0.5mm DIA" 6.375,5.085 r0 top (schematic designator TP202)
TP202_3 "TESTPOINT SMD" "TESTPOINT 0.5mm DIA" 0.457,-13.919 r0 top (schematic designator TP202)
TP202_4 "TESTPOINT SMD" "TESTPOINT 0.5mm DIA" -5.563,-5.131 r180 top (schematic designator TP202)
TP203_1 "TESTPOINT SMD" "TESTPOINT 0.5mm DIA" -3.372,12.612 r180 top (schematic designator TP203)
TP203_2 "TESTPOINT SMD" "TESTPOINT 0.5mm DIA" 3.372,12.388 r0 top (schematic designator TP203)
TP203_3 "TESTPOINT SMD" "TESTPOINT 0.5mm DIA" 3.372,-12.612 r0 top (schematic designator TP203)
TP203_4 "TESTPOINT SMD" "TESTPOINT 0.5mm DIA" -3.372,-12.388 r180 top (schematic designator TP203)
TP204_1 "TESTPOINT TH" "TESTPOINT TH" -12.425,20.465 r225 top (schematic designator TP204)
TP204_2 "TESTPOINT TH" "TESTPOINT TH" 12.425,4.535 r45 top (schematic designator TP204)
TP204_3 "TESTPOINT TH" "TESTPOINT TH" 12.425,-20.465 r45 top (schematic designator TP204)
TP204_4 "TESTPOINT TH" "TESTPOINT TH" -12.425,-4.535 r225 top (schematic designator TP204)
TP205_1 "TESTPOINT SMD" "TESTPOINT 0.5mm DIA" -8.85,18.565 r0 top (schematic designator TP205)
TP205_2 "TESTPOINT SMD" "TESTPOINT 0.5mm DIA" 7.849,6.452 r180 top (schematic designator TP205)
TP205_3 "TESTPOINT SMD" "TESTPOINT 0.5mm DIA" 8.85,-18.565 r180 top (schematic designator TP205)
TP205_4 "TESTPOINT SMD" "TESTPOINT 0.5mm DIA" -8.85,-6.435 r0 top (schematic designator TP205)
TP206_1 "TESTPOINT SMD" "TESTPOINT 0.5mm DIA" -7.119,3.694 r45 top (schematic designator TP206)
TP206_2 "TESTPOINT SMD" "TESTPOINT 0.5mm DIA" 8.5,21.335 r225 top (schematic designator TP206)
TP206_3 "TESTPOINT SMD" "TESTPOINT 0.5mm DIA" 8.5,-3.665 r225 top (schematic designator TP206)
TP206_4 "TESTPOINT SMD" "TESTPOINT 0.5mm DIA" -6.35,-21.26 r45 top (schematic designator TP206)
TP207_1 "TESTPOINT SMD" "TESTPOINT 0.5mm DIA" -12.44,4.941 r180 top (schematic designator TP207)
TP207_2 "TESTPOINT SMD" "TESTPOINT 0.5mm DIA" 12.44,20.059 r0 top (schematic designator TP207)
TP207_3 "TESTPOINT SMD" "TESTPOINT 0.5mm DIA" 12.44,-4.941 r0 top (schematic designator TP207)
TP207_4 "TESTPOINT SMD" "TESTPOINT 0.5mm DIA" -12.44,-20.059 r180 top (schematic designator TP207)
TP208_1 "TESTPOINT SMD" "TESTPOINT 0.5mm DIA" -15.393,4.941 r45 top (schematic designator TP208)
TP208_2 "TESTPOINT SMD" "TESTPOINT 0.5mm DIA" 15.393,20.059 r225 top (schematic designator TP208)
TP208_3 "TESTPOINT SMD" "TESTPOINT 0.5mm DIA" 15.393,-4.941 r225 top (schematic designator TP208)
TP208_4 "TESTPOINT SMD" "TESTPOINT 0.5mm DIA" -15.393,-20.059 r45 top (schematic designator TP208)
TP209_1 "TESTPOINT SMD" "TESTPOINT 0.5mm DIA" -6.8,6.99 r180 top (schematic designator TP209)
TP209_2 "TESTPOINT SMD" "TESTPOINT 0.5mm DIA" 6.8,18.01 r0 top (schematic designator TP209)
TP209_3 "TESTPOINT SMD" "TESTPOINT 0.5mm DIA" 6.8,-6.99 r0 top (schematic designator TP209)
TP209_4 "TESTPOINT SMD" "TESTPOINT 0.5mm DIA" -6.8,-18.01 r180 top (schematic designator TP209)
TP210_1 "TESTPOINT SMD" "TESTPOINT 0.5mm DIA" -16.377,4.941 r45 top (schematic designator TP210)
TP210_2 "TESTPOINT SMD" "TESTPOINT 0.5mm DIA" 16.377,20.059 r225 top (schematic designator TP210)
TP210_3 "TESTPOINT SMD" "TESTPOINT 0.5mm DIA" 16.377,-4.941 r225 top (schematic designator TP210)
TP210_4 "TESTPOINT SMD" "TESTPOINT 0.5mm DIA" -16.377,-20.059 r45 top (schematic designator TP210)
TP211_1 "TESTPOINT SMD" "TESTPOINT 0.5mm DIA" -4.175,20.75 r180 top (schematic designator TP211)
TP211_2 "TESTPOINT SMD" "TESTPOINT 0.5mm DIA" 1.25,1.975 r90 top (schematic designator TP211)
TP211_3 "TESTPOINT SMD" "TESTPOINT 0.5mm DIA" 1,-21.125 r90 top (schematic designator TP211)
TP211_4 "TESTPOINT SMD" "TESTPOINT 0.5mm DIA" -2.54,-3.658 r90 top (schematic designator TP211)
TP214_1 "TESTPOINT SMD" "TESTPOINT 0.5mm DIA" -13.424,4.941 r0 top (schematic designator TP214)
TP214_2 "TESTPOINT SMD" "TESTPOINT 0.5mm DIA" 13.424,20.059 r180 top (schematic designator TP214)
TP214_3 "TESTPOINT SMD" "TESTPOINT 0.5mm DIA" 13.424,-4.941 r180 top (schematic designator TP214)
TP214_4 "TESTPOINT SMD" "TESTPOINT 0.5mm DIA" -13.424,-20.059 r0 top (schematic designator TP214)
TP219_1 "TESTPOINT SMD" "TESTPOINT 0.5mm DIA" -13.625,18.64 r180 top (schematic designator TP219)
TP219_2 "TESTPOINT SMD" "TESTPOINT 0.5mm DIA" 13.625,6.36 r0 top (schematic designator TP219)
TP219_3 "TESTPOINT SMD" "TESTPOINT 0.5mm DIA" 13.625,-18.64 r0 top (schematic designator TP219)
TP219_4 "TESTPOINT SMD" "TESTPOINT 0.5mm DIA" -13.625,-6.36 r180 top (schematic designator TP219)
TP220_1 "TESTPOINT SMD" "TESTPOINT 0.5mm DIA" -10.175,18.64 r270 top (schematic designator TP220)
TP220_2 "TESTPOINT SMD" "TESTPOINT 0.5mm DIA" 10.175,6.36 r90 top (schematic designator TP220)
TP220_3 "TESTPOINT SMD" "TESTPOINT 0.5mm DIA" 10.175,-18.64 r90 top (schematic designator TP220)
TP220_4 "TESTPOINT SMD" "TESTPOINT 0.5mm DIA" -10.175,-6.36 r270 top (schematic designator TP220)
TP222_1 "TESTPOINT SMD" "TESTPOINT 0.5mm DIA" -14.408,4.941 r0 top (schematic designator TP222)
TP222_2 "TESTPOINT SMD" "TESTPOINT 0.5mm DIA" 14.409,20.059 r180 top (schematic designator TP222)
TP222_3 "TESTPOINT SMD" "TESTPOINT 0.5mm DIA" 14.408,-4.941 r180 top (schematic designator TP222)
TP222_4 "TESTPOINT SMD" "TESTPOINT 0.5mm DIA" -14.408,-20.059 r0 top (schematic designator TP222)
TP224_1 "TESTPOINT SMD" "TESTPOINT 0.5mm DIA" -11.325,18.64 r0 top (schematic designator TP224)
TP224_2 "TESTPOINT SMD" "TESTPOINT 0.5mm DIA" 11.325,6.36 r180 top (schematic designator TP224)
TP224_3 "TESTPOINT SMD" "TESTPOINT 0.5mm DIA" 11.325,-18.64 r180 top (schematic designator TP224)
TP224_4 "TESTPOINT SMD" "TESTPOINT 0.5mm DIA" -11.325,-6.36 r0 top (schematic designator TP224)
TP225_1 "TESTPOINT SMD" "TESTPOINT 0.5mm DIA" -12.475,18.64 r0 top (schematic designator TP225)
TP225_2 "TESTPOINT SMD" "TESTPOINT 0.5mm DIA" 12.475,6.36 r180 top (schematic designator TP225)
TP225_3 "TESTPOINT SMD" "TESTPOINT 0.5mm DIA" 12.475,-18.64 r180 top (schematic designator TP225)
TP225_4 "TESTPOINT SMD" "TESTPOINT 0.5mm DIA" -12.475,-6.36 r0 top (schematic designator TP225)
U100 "LMR50410YQ" SOT-23-6 15.9,-26.924 r270 bottom
U200_1 "LMV321L" SOT-23-5 -17.643,21.043 r0 top (schematic designator U200)
U200_2 "LMV321L" SOT-23-5 17.643,3.957 r180 top (schematic designator U200)
U200_3 "LMV321L" SOT-23-5 17.643,-21.043 r180 top (schematic designator U200)
U200_4 "LMV321L" SOT-23-5 -17.643,-3.957 r0 top (schematic designator U200)
U201_1 "STSPIN32F0A" "VQFN-48 7x7" -11.852,11.878 r180 top locked (schematic designator U201)
U201_2 "STSPIN32F0A" "VQFN-48 7x7" 11.852,13.122 r0 top (schematic designator U201)
U201_3 "STSPIN32F0A" "VQFN-48 7x7" 11.852,-11.878 r0 top (schematic designator U201)
U201_4 "STSPIN32F0A" "VQFN-48 7x7" -11.852,-13.122 r180 top (schematic designator U201)
U202_1 "SN74LVC1G125" SC70-5 -10.56,3.672 r180 top (schematic designator U202)
U202_2 "SN74LVC1G125" SC70-5 10.56,21.328 r0 top (schematic designator U202)
U202_3 "SN74LVC1G125" SC70-5 10.56,-3.672 r0 top (schematic designator U202)
U202_4 "SN74LVC1G125" SC70-5 -10.56,-21.328 r180 top (schematic designator U202)
U203_1 "SN74LVC1G125" SC70-5 -7.228,22.525 r0 top (schematic designator U203)
U203_2 "SN74LVC1G125" SC70-5 3.425,3.325 r180 top (schematic designator U203)
U203_3 "SN74LVC1G125" SC70-5 3.835,-20.904 r270 top (schematic designator U203)
U203_4 "SN74LVC1G125" SC70-5 -6.706,-2.997 r0 top (schematic designator U203)

## Footprints (in the part's own frame and the unit in brackets; to place one, negate y for a bottom-side part, rotate by r counter-clockwise, add the part's x,y. Pads: shape width x height; smd on the part's side, far side on the other; paste and mask are expansions set on the pad)
"CONN QCOPTER LOGIC Rev A" [mm]
  rect 0.5x2 smd: 1(7.6,-2.2) 2(7.6,2.2) 3(6.8,-2.2) 4(6.8,2.2) 5(6,-2.2) 6(6,2.2) 7(5.2,-2.2) 8(5.2,2.2) 9(4.4,-2.2) 10(4.4,2.2) 11(3.6,-2.2) 12(3.6,2.2) 13(2.8,-2.2) 14(2.8,2.2) 15(2,-2.2) 16(2,2.2) 17(1.2,-2.2) 18(1.2,2.2) 19(0.4,-2.2) 20(0.4,2.2) 21(-0.4,-2.2) 22(-0.4,2.2) 23(-1.2,-2.2) 24(-1.2,2.2) 25(-2,-2.2) 26(-2,2.2) 27(-2.8,-2.2) 28(-2.8,2.2) 29(-3.6,-2.2) 30(-3.6,2.2) 31(-4.4,-2.2) 32(-4.4,2.2) 33(-5.2,-2.2) 34(-5.2,2.2) 35(-6,-2.2) 36(-6,2.2) 37(-6.8,-2.2) 38(-6.8,2.2) 39(-7.6,-2.2) 40(-7.6,2.2)
  round 0.5 hole 1.2 unplated: M1(-10.1,0)
  round 0.5 hole 0.8 unplated: M1(10.1,0)
  silkscreen extent -11,-3.5 11,3.1, body extent -10.9,-3 10.9,3, height 4.65
"CONN SOLDER MOTOR" [mm]
  rect 4.5x5.75 smd: 1(0,0)
  rect 4.5x5.75 smd far side: 1(0,0)